# Altium PCB PCB1.PcbDoc (part 2 of 2)
Units mil, origin at the board's own origin, x right, y up, seen from the top; angles counter-clockwise.
Board outline 3939 x 2371 mil, 2 copper layers (Top Layer, Bottom Layer); 133 components, 78 nets, 464 pads, 62 vias.
Unrouted connection lines stored in the file: 3.
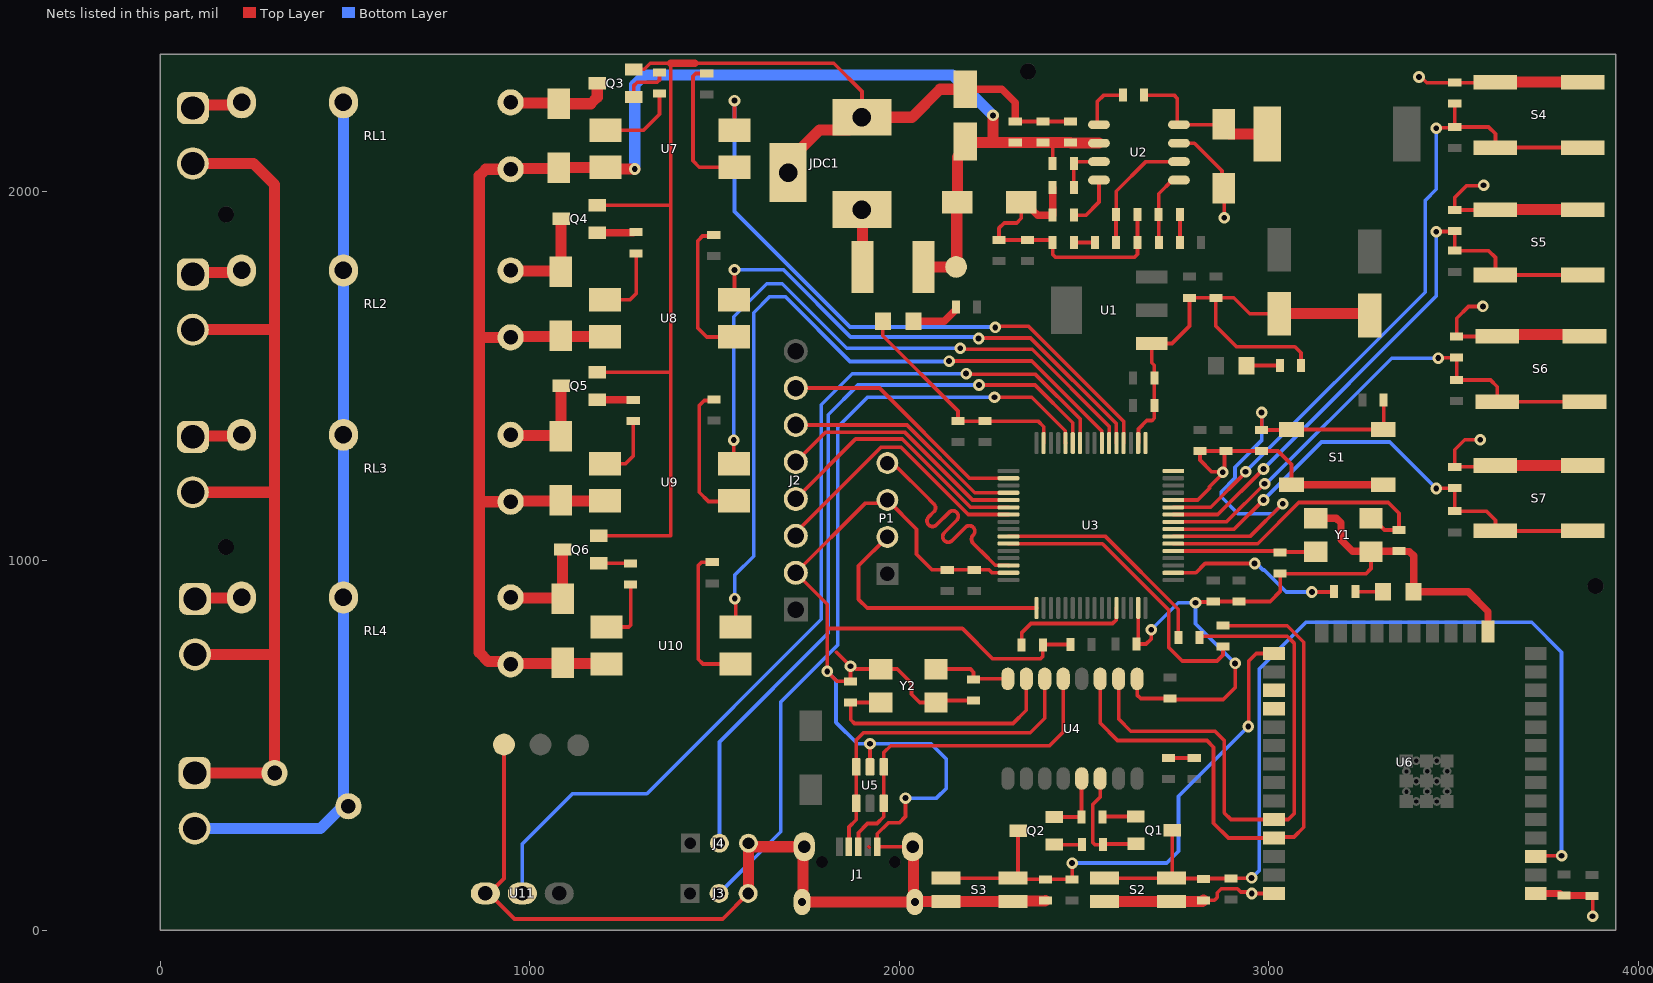
[diagram p2: the nets of this part, all layers, seen from the top]

## Via types
v1: diameter 31.5, hole 15.75, Top Layer to Bottom Layer, tented both sides, 58 vias
v2: diameter 31.5, hole 15.75, Top Layer to Bottom Layer, 4 vias

## Nets (pads, with @x,y where several pads share a name; then routed paths per layer and width w, separated by ;. In a path a pad name is that pad's centre, name@x,y a point inside that pad or via, vN(x,y) a via of type N, cw(c..) or ccw(c..) an arc to the next point about the centre after c; other vN are vias at no path point) (continued)
+12V: C1.1 C9.2 C10.2 C11.2 D1.2 D7.2 D8.2 D9.2 D10.2 F1.1 R3.2 RL1.1 RL2.1 RL3.1 RL4.1 TP2.1 U2.2 U7.4 U8.4 U9.4 U10.4 | length 4999.9
  Top Layer w10: 2414,2132.46 2415.46,2131 R3.2@2415.46,2076
  Top Layer w30: U8.4@1209.5,1606 1207.81,1607.69 1085.69,1607.69 1085.34,1607.34 950.22,1607.34 RL2.1@948.17,1605.29 864.22,1605.29 863.29,1604.36 ; U10.4@1224.5,721 1222.81,722.69 1090.69,722.69 D10.2@1089,724.39 1086.95,722.34 950.22,722.34 RL4.1@948.17,720.29 940.35,728.11 886.89,728.11 863.29,751.71 863.29,1166 ; U9.4@1224.5,1161 1204,1161 1202.31,1162.69 1085.69,1162.69 1085.34,1162.34 950.22,1162.34 RL3.1@948.17,1160.29 869,1160.29 863.29,1166 ; v1(1284,2061) 1283.71,2061.29 1207.6,2061.29 1203.69,2065.19 1079.81,2065.19 D7.2@1079,2064.39 1076.95,2062.34 950.22,2062.34 RL1.1@948.17,2060.29 880.86,2060.29 863.29,2042.72 863.29,1604.36 ; F1.1@2066,1796 TP2.1@2154,1796 2155.69,1797.69 2155.69,1969.31 D1.2@2157.39,1971 2157.39,2093.83 2179,2115.45 C1.1@2179,2135.13 2181.68,2132.46 2254,2132.46 ; v1(2254,2206) 2254,2132.46 ; U2.2@2540.73,2131 2540,2131.73 2464.73,2131.73 C11.2@2464,2132.46 2414,2132.46 C10.2@2389,2132.46 C9.2@2314,2132.46 2254,2132.46 ; 863.29,1166 863.29,1604.36
  Bottom Layer w30: v1(1284,2061) 1284,2289 1311,2316 2144,2316 v1(2254,2206)
AC1: P6.2 RL1.3 RL2.3 RL3.3 RL4.3 VR1.2 | length 2332
  Bottom Layer w30: P6.2@92.86,276 287,276 434,276 495.42,337.42 RL4.3@495.42,901.39 RL3.3@495.42,1341.39 RL2.3@495.42,1786.39 RL1.3@495.42,2241.39
AC2: P2.2 P3.2 P4.2 P5.2 P6.1 VR1.1 | length 2713.7
  Top Layer w30: P4.2@87.86,1186 307,1186 309,1188 ; P3.2@87.86,1626 309,1626 ; P2.2@87.86,2076 252,2076 309,2019 309,1626 ; P6.1@92.86,426 VR1.1@309,426 309,751 ; P5.2@94,747 305,747 309,751 ; 309,751 309,1188 ; 309,1188 309,1626
GND: C1.2 C2.1 C3.1 C4.1 C5.1 C7.2 C8.2 C9.1 C10.1 C11.1 C13.1 C14.1 C15.1 C16.1 C17.1 C18.1 C19.1 C20.1 C21.1 C22.1 C23.2 C24.1 C25.1 C26.1 C27.1 C28.1 C29.1 C30.2 C31.2 C32.2 C33.1 C34.1 C35.1 C36.1 C37.2 C38.2 C39.2 C40.2 C41.2 C42.2 D1.1 D2.1 D4.2 D5.2 J1.5 J1.Shell J2.2 J3.3 J4.3 JDC1.2 JDC1.3 P1.3 Q3.1 Q4.1 Q5.1 Q6.1 R5.1 R6.1 R7.1 R8.1 R11.2 S1.1 S1.2 S2.3 S2.4 S3.3 S3.4 S4.3 S4.4 S5.3 S5.4 S6.3 S6.4 S7.3 S7.4 TP4.1 U1.1 U2.7 U3.12 U3.18 U3.31 U3.47 U3.63 U4.1 U5.2 U6.1 U6.15 U6.38 U11.3 Y1.2 Y1.4 Y2.2 Y2.4 | length 18273.7
  Top Layer w10: U11.3@879.84,100 U11.3@889.68,100 ; TP4.1@930,503 930,140.32 U11.3@889.68,100 ; Q5.1@1183,1511 1381.72,1511 ; Q4.1@1183,1963 1380.72,1963 1381.72,1964 ; Q6.1@1187,1068 1380.72,1068 1381.72,1069 1381.72,1511 ; Q3.1@1280.79,2330.4 1281.39,2331 1310,2331 1326.14,2347.14 1381.72,2347.14 1381.72,1964 ; 1447.2,2347.14 1822.86,2347.14 1899,2271 JDC1.2@1899,2201 ; J3.3@1591,100 1522,31 958.68,31 U11.3@889.68,100 ; 1830,753 v1(1868,715) C36.1@1868,673.54 1867.54,674 1832,674 v1(1805,701) 1805,817 ; 1883.28,707.28 Y2.2@1950.2,707.28 1994.72,707.28 2033,669 2033,639 2055.28,616.72 Y2.4@2099.8,616.72 2105.54,622.46 C35.1@2201,622.46 ; U5.2@1921,442.41 v1(1921,505) ; D4.2@1955.66,1649 1955.66,1609.34 2159,1406 C19.1@2159,1378.54 C18.1@2232,1378.54 2375.46,1378.54 2391.05,1362.95 U3.31@2391.05,1319.23 ; v2(2017,358) 2017,308 2000,291 1970,291 1940.76,261.76 J1.5@1940.76,226.34 J1.Shell@2036.23,226.34 ; U3.47@2295.77,968.05 2250.95,968.05 2243,976 C26.1@2203,976 C27.1@2130,976 2089,976 2047,1018 2047,1086 P1.3@1968,1165 1959.59,1156.59 1908.59,1156.59 J2.2@1720,968 1805,883 1805,817 ; C9.1@2314,2189.54 C10.1@2389,2189.54 C11.1@2459,2189.54 ; D1.1@2330.61,1971 2330.61,1927.61 2318,1915 2284,1915 2270,1901 C5.1@2270,1868.54 C4.1@2347,1868.54 2409.63,1868.54 2415.46,1862.72 R6.1@2415.46,1862 2415.46,1829.54 2423,1822 2637,1822 2645,1830 2645,1937.54 C13.1@2644.54,1938 ; C25.1@2464,774 2389.54,774 R11.2@2388.54,773 2388.54,741.4 2382.69,735.54 2252.46,735.54 2171,817 1805,817 ; U4.1@2644,680.84 2644,637 2653.54,627.46 C30.2@2733.22,627.46 2735.68,625 2877,625 2909.37,657.37 v2(2909.37,722.63) ; U3.63@2646.95,872.77 2646.95,779.41 C24.1@2642.54,775 2668.37,775 2682.25,788.88 v1(2682.25,814) ; U3.18@2646.95,1319.23 2647.46,1319.74 2647.46,1357.46 2670,1380 2684,1380 2690.54,1386.54 C20.1@2690.54,1421 C21.1@2690.54,1495 2690.54,1529.46 2683.35,1536.65 U1.1@2683.35,1588.56 2738.56,1588.56 2786,1636 C2.1@2786,1712.46 C3.1@2857,1712.46 ; C34.1@2728.61,466.54 C33.1@2798.61,466.54 ; U3.12@2742.23,1164.9 2808.07,1164.9 2839.98,1196.8 2839.98,1201.02 2876,1237.04 v1(2876,1240) ; U2.7@2757.27,2131 2799,2131 2873.5,2056.5 2873.5,2014.89 D2.1@2879,2009.39 2880,2008.39 v1(2880,1929) ; v1(2802,887) 2803.73,888.73 2848.27,888.73 C22.1@2850,890.46 C23.2@2920,890.46 3004.46,890.46 3031.02,917.02 C15.1@3031.02,965.46 3263.46,965.46 3277.33,979.33 Y1.2@3277.33,1025.35 ; C37.2@2824,81.46 2853.14,81.46 2861,89.31 2861,102 2872,113 2915.38,113 2924.33,104.06 2949.94,104.06 v1(2954.06,99.94) U6.38@3014.34,99.94 ; C8.2@3029,1669.39 2948.61,1669.39 2905.54,1712.46 C3.1@2857,1712.46 ; S1.2@3061.98,1206.2 3061.98,1261.02 3025.54,1297.46 C17.1@2981,1297.46 C29.1@2885,1297.46 ; R5.1@3087.54,1529 3087.54,1563.54 3071.09,1580 2913,1580 2857,1636 C3.1@2857,1712.46 ; v1(3407,2310) 3412.82,2310 3428.04,2294.78 C39.2@3503.88,2294.78 3612.43,2294.78 S4.3@3613.88,2296.24 ; v1(3573,1328) 3531,1328 3503.88,1300.88 C42.2@3503.88,1254.78 3610.26,1254.78 S7.3@3613.88,1258.4 ; v1(3580,1689) 3541,1689 3509,1657 C41.2@3509,1607.54 3618.02,1607.54 S6.3@3618.88,1608.4 ; v1(3582,2017) 3581,2016 3536,2016 3503.88,1983.88 C40.2@3503.88,1949.78 3612.43,1949.78 S5.3@3613.88,1951.24 ; C31.2@3875,93.46 3877,91.46 v1(3877,38) ; 1381.72,1511 1381.72,1964 ; v1(2876,1240) 2874.25,1241.75 2845.25,1241.75 2814,1273 C28.1@2814,1297.46 C29.1@2885,1297.46 ; v1(2876,1240) 2876,1245.82 2880.52,1250.34 2880.52,1292.98 C29.1@2885,1297.46
  Top Layer w20: 1381.72,2347.14 1447.2,2347.14 ; C1.2@2179,2276.87 2278.13,2276.87 2314,2241 C9.1@2314,2189.54 ; D1.1@2330.61,1971 2341.44,1971 2361.95,1950.49 2361.95,1948.68 2374.63,1936 C14.1@2415.46,1936 R7.1@2415.46,2011 ; U2.7@2757.27,2131 U2.7@2757.96,2130.31 ; S1.2@3061.98,1206.2 S1.1@3310.02,1206.2 ; Y1.4@3127.72,1115.91 3183.09,1115.91 3196,1103 3196,1057 3227,1026 3264.69,1026 3270.69,1032 Y1.2@3277.33,1025.35 3277.88,1025.91 3352.45,1025.91 C16.1@3353,1026.46 3353.83,1025.63 3380.62,1025.63 3392.34,1013.91 D5.2@3392.34,917 3540,917 3593.87,863.13 U6.15@3593.87,809 ; U6.1@3719.14,107.66 3715.28,107.66 U6.1@3723,99.94 3787.62,99.94 3793.11,94.46 C32.2@3800,94.46 3867.11,94.46 3868.11,93.46 C31.2@3875,93.46
  Top Layer w30: J3.3@1591,100 1591.5,100.5 1591.5,235.5 J4.3@1592,236 1597.73,236 1607.39,226.34 J1.Shell@1742.92,226.34 1739.94,223.36 1739.94,79.66 J1.Shell@1737.02,76.73 J1.Shell@2042.13,76.73 ; JDC1.3@1699,2051 1699,2081 1784,2166 1864,2166 JDC1.2@1899,2201 2034,2201 2109.87,2276.87 C1.2@2179,2276.87 ; J1.Shell@2036.23,226.34 2039.21,223.36 2039.21,79.66 J1.Shell@2042.13,76.73 ; C38.2@2396.13,80.46 2395.15,79.48 2308.66,79.48 S3.3@2307.68,78.5 S3.4@2126.58,78.5 2125.69,77.62 2043.02,77.62 J1.Shell@2042.13,76.73 ; S2.4@2555.45,78.5 S2.3@2736.55,78.5 2821.28,78.5 2824,81.22 C37.2@2824,81.46 ; C8.2@3029,1669.39 3269,1669.39 C7.2@3274,1664.39 ; S7.3@3613.88,1258.4 S7.4@3850.1,1258.4 ; S5.3@3613.88,1951.24 S5.4@3850.1,1951.24 ; S4.3@3613.88,2296.24 S4.4@3850.1,2296.24 ; S6.3@3618.88,1613.4 S6.4@3850.1,1613.4
  Bottom Layer w10: v1(1805,701) 1829,677 1829,563 1887,505 v1(1921,505) 2086,505 2127,464 2127,384 2101,358 v2(2017,358) ; v1(2682.25,814) 2755.25,887 v1(2802,887) 2802,830 v2(2909.37,722.63)
NetC6_1: C6.1 U2.1 | length 139
  Top Layer w10: U2.1@2535.73,2181 2535.73,2242.73 2554,2261 C6.1@2605.46,2261
NetC6_2: C6.2 D2.2 L1.1 U2.8 | length 421
  Top Layer w10: C6.2@2662.54,2261 2744,2261 2752.27,2252.73 2752.27,2181 U2.8@2757.27,2181 D2.2@2874,2181
  Top Layer w30: D2.2@2879,2182.61 2879,2171.79 2894.79,2156 L1.1@2996.05,2156
NetC12_1: C12.1 C13.2 U2.6 | length 342
  Top Layer w10: C12.1@2586.54,1862 2587,1862.46 2587,1937.54 C13.2@2587.46,1938 2587.46,2000.46 2668,2081 U2.6@2757.27,2081
NetC12_2: C12.2 R6.2 | length 56.9
  Top Layer w10: R6.2@2472.54,1862 C12.2@2529.46,1862
NetC14_2: C14.2 U2.4 | length 142.5
  Top Layer w10: C14.2@2472.54,1936 2505.41,1936 2540.73,1971.32 U2.4@2540.73,2031
NetC15_2: C15.2 U3.5 Y1.1 | length 387
  Top Layer w10: U3.5@2742.23,1027.1 2742.55,1026.78 3045.68,1026.78 3048,1024.46 3126.62,1024.46 Y1.1@3127.72,1023.35
NetC16_2: C16.2 U3.6 Y1.3 | length 803.4
  Top Layer w10: U3.6@2742.23,1046.79 2970.44,1046.79 3081.66,1158 3324,1158 3353,1129 C16.2@3353,1083.54 3313.63,1083.54 3281.27,1115.91 Y1.3@3277.33,1115.91
NetC17_2: C17.2 R9.1 S1.3 S1.4 U3.7 | length 1260.7
  Top Layer w10: U3.7@2742.23,1066.47 2949.47,1066.47 v1(3038,1155) ; v1(2981,1402) C17.2@2981,1354.54 3060.72,1354.54 S1.4@3061.98,1355.8 S1.3@3310.02,1355.8 3311.54,1357.33 R9.1@3311.54,1436
  Bottom Layer w10: v1(2981,1402) 2981,1326 2908.92,1253.92 2908.92,1225.09 2871.47,1187.64 2871.47,1173.53 2917,1128 3011,1128 v1(3038,1155)
NetC35_2: C35.2 U4.8 Y2.1 | length 217.6
  Top Layer w10: Y2.1@2099.8,707.28 2192.72,707.28 2201,699 C35.2@2201,679.54 2202.3,680.84 U4.8@2294,680.84
NetC36_2: C36.2 U4.7 Y2.3 | length 693.5
  Top Layer w10: C36.2@1869,616.46 1869,570 1879,560 2308,560 2344,596 U4.7@2344,667.84 ; C36.2@1869,616.72 Y2.3@1950.2,616.72
NetC37_1: C37.1 Q1.2 R16.2 S2.1 S2.2 U6.3 | length 2630.4
  Top Layer w10: S2.1@2555.45,141.5 S2.2@2736.55,141.5 ; Q1.2@2739.21,271 2739.21,144.16 S2.2@2736.55,141.5 ; v1(2954,142) 2953.27,141.27 2898.73,141.27 R16.2@2898,140.54 2737.5,140.54 S2.2@2736.55,141.5 ; U6.3@3723,199.94 3725.06,202 v1(3793,202)
  Bottom Layer w10: v1(2954,142) 2975,163 2975,708 3101,834 3712,834 3793,753 v1(3793,202)
NetC38_1: C38.1 Q2.2 R17.2 S3.1 S3.2 U6.25 | length 1494.1
  Top Layer w10: S3.1@2126.58,141.5 S3.2@2307.68,141.5 ; Q2.2@2321.79,270 2321.79,154.21 2309.07,141.5 S3.2@2307.68,141.5 ; v1(2468.13,182.13) R17.2@2468.13,138 2311.18,138 S3.2@2307.68,141.5 ; v1(2945,552) 2946,553 2946,729 2966.52,749.52 3013.92,749.52 U6.25@3014.34,749.94
  Bottom Layer w10: v1(2468.13,182.13) 2724.13,182.13 2756,214 2756,363 v1(2945,552)
NetC39_1: C39.1 R26.2 S4.1 S4.2 U3.11 | length 1885.4
  Top Layer w10: U3.11@2742.23,1145.21 2843.21,1145.21 2937.67,1239.67 v1(2937.67,1241.33) ; v1(3453.88,2171.24) 3455.65,2173.01 3502.11,2173.01 R26.2@3503.88,2174.78 ; C39.1@3503.88,2237.69 R26.2@3503.88,2174.78 ; S4.1@3850.1,2119.07 S4.2@3613.88,2119.07 3613.88,2156.24 3595.34,2174.78 R26.2@3503.88,2174.78
  Bottom Layer w10: v1(2937.67,1241.33) 3424,1727.66 3424,1976 3453.88,2005.88 v1(3453.88,2171.24)
NetC40_1: C40.1 R27.2 S5.1 S5.2 U3.10 | length 1635.5
  Top Layer w10: U3.10@2742.23,1125.53 2862.53,1125.53 v1(2986,1249) ; v1(3453.88,1891.24) 3454.61,1891.96 3503.15,1891.96 C40.1@3503.88,1892.69 R27.2@3503.88,1839.78 3595.34,1839.78 3613.88,1821.24 S5.2@3613.88,1774.07 S5.1@3850.1,1774.07
  Bottom Layer w10: v1(2986,1249) 3453.88,1716.88 v1(3453.88,1891.24)
NetC41_1: C41.1 R28.2 S6.1 S6.2 U3.9 | length 1405.6
  Top Layer w10: U3.9@2742.23,1105.84 2886.19,1105.84 v1(2989.17,1208.83) ; v1(3459,1549) 3459.73,1549.73 3508.27,1549.73 C41.1@3509,1550.46 3509,1489.9 R28.2@3508.88,1489.78 3600.34,1489.78 3618.88,1471.24 S6.2@3618.88,1431.24 S6.1@3855.1,1431.24
  Bottom Layer w10: v1(2989.17,1208.83) 2992.83,1208.83 3333,1549 v1(3459,1549)
NetC42_1: C42.1 R29.2 S7.1 S7.2 U3.8 | length 1360.4
  Top Layer w10: U3.8@2742.23,1086.16 2907.16,1086.16 v1(2986,1165) ; v1(3453.88,1196.24) 3454.61,1196.96 3503.15,1196.96 C42.1@3503.88,1197.69 R29.2@3503.88,1134.78 3589.48,1134.78 3613.88,1110.38 S7.2@3613.88,1081.24 S7.1@3850.1,1081.24
  Bottom Layer w10: v1(2986,1165) 3143,1322 3328.12,1322 v1(3453.88,1196.24)
NetD3_2: D3.2 R5.2 | length 90.1
  Top Layer w10: D3.2@2940.34,1529 R5.2@3030.46,1529
NetD4_1: D4.1 R2.1 | length 134.9
  Top Layer w20: D4.1@2038.34,1649 2122.35,1649 2153.46,1680.11 R2.1@2153.46,1687
NetD5_1: D5.1 R10.1 | length 75.1
  Top Layer w10: R10.1@3234.54,917 D5.1@3309.66,917
NetD7_1: D7.1 Q3.2 RL1.2 | length 281.5
  Top Layer w30: RL1.2@948.17,2241.39 950.06,2239.5 1077.11,2239.5 D7.1@1079,2237.61 1165,2237.61 1182.58,2255.19 Q3.2@1182.58,2293.4
NetD8_1: D8.1 Q4.2 RL2.2 | length 280.8
  Top Layer w30: RL2.2@948.17,1786.39 950.06,1784.5 1082.9,1784.5 1084.39,1783.01 1084.39,1925.61 Q4.2@1084.79,1926
NetD9_1: D9.1 Q5.2 RL3.2 | length 273.8
  Top Layer w30: RL3.2@948.17,1341.39 950.06,1339.5 1082.9,1339.5 1084.39,1338.01 1084.39,1473.61 Q5.2@1084.79,1474
NetD10_1: D10.1 Q6.2 RL4.2 | length 275.7
  Top Layer w30: RL4.2@948.17,901.39 950.06,899.5 1087.11,899.5 D10.1@1088.89,897.72 ; Q6.2@1088.79,1031 1088.89,1030.89 D10.1@1088.89,897.72 ; D10.1@1089,897.61 D10.1@1088.89,897.72
NetF1_0: F1.0 JDC1.1 | length 155.7
  Top Layer w30: JDC1.1@1899,1951 1900.59,1949.41 F1.0@1900.59,1796
NetJ1_2: J1.2 U4.6 U5.3 U5.4 | length 938.8
  Top Layer w10: J1.2@1863.98,226.34 1863.98,279.98 1883.6,299.6 U5.4@1883.6,343.59 U5.3@1883.6,442.41 1883.6,515.6 1903,535 2355,535 2394,574 U4.6@2394,680.84
NetJ1_3: J1.3 U4.5 U5.1 U5.6 | length 953
  Top Layer w10: J1.3@1889.57,226.34 1889.57,264.57 1914.4,289.4 1939.95,289.4 1958.4,307.86 U5.6@1958.4,343.59 U5.1@1958.4,442.41 1958.4,481.4 1977,500 2407,500 2444,537 U4.5@2444,680.84 ; 1917.61,226.57 1919,225.17
NetJ2_3: J2.3 U3.39 | length 755.7
  Top Layer w10: J2.3@1720,1068 1720,1077.14 1793,1150.14 1950.38,1307.53 2005.03,1307.53 2187.03,1125.53 U3.39@2295.77,1125.53
NetJ2_4: J2.4 U3.38 | length 719.4
  Top Layer w10: J2.4@1720,1168 1882,1330 2008.01,1330 2192.8,1145.21 U3.38@2295.77,1145.21
NetJ2_5: J2.5 U3.37 | length 684.8
  Top Layer w10: J2.5@1720,1268 1800,1348 2015.47,1348 2198.57,1164.9 U3.37@2295.77,1164.9
NetJ2_6: J2.6 U3.36 | length 651.7
  Top Layer w10: J2.6@1720,1368 2020.92,1368 2204.34,1184.58 U3.36@2295.77,1184.58
NetJ2_7: J2.7 U3.34 | length 676.9
  Top Layer w10: J2.7@1720,1468 1946.38,1468 2190.42,1223.95 U3.34@2295.77,1223.95
NetJ3_2: J3.2 U3.28 | length 2115.9
  Top Layer w10: v1(2258,1443) 2359,1443 2449.59,1352.41 2449.59,1319.74 U3.28@2450.1,1319.23
  Bottom Layer w10: J3.2@1512.26,100 1679,266.74 1679,618 1834,773 1834,1363 1914,1443 v1(2258,1443)
NetJ4_2: J4.2 U3.27 | length 2076.2
  Top Layer w10: v1(2216,1476.25) 2367.75,1476.25 2469.79,1374.21 U3.27@2469.79,1319.23
  Bottom Layer w10: J4.2@1513.26,236 1513.26,510.26 1807.63,804.63 1807.63,1395.63 1888.25,1476.25 2211.5,1476.25 2213.75,1474 v1(2216,1476.25)
NetP1_2: P1.2 U3.49 | length 692.3
  Top Layer w10: P1.2@1968,1065 1890,987 1890,896 1913.23,872.77 U3.49@2371.36,872.77
NetP1_4: P1.4 U3.46 | length 695.1
  Top Layer w10: P1.4@1968,1265 1981.27,1265 1995.26,1251.01 1996.99,1251.01 2069,1179 2093.75,1154.25 cw(c2083.14,1143.64) 2093.75,1133.04 2079.61,1118.9 ccw(c2090.21,1108.29) 2079.61,1097.68 ccw(c2090.21,1108.29) 2100.82,1097.68 2134.51,1131.37 cw(c2145.12,1120.77) 2155.72,1131.37 cw(c2145.12,1120.77) 2155.72,1110.16 2122.03,1076.47 ccw(c2132.64,1065.86) 2122.03,1055.26 ccw(c2132.64,1065.86) 2143.25,1055.26 2179.15,1091.16 cw(c2189.76,1080.56) 2200.37,1091.16 cw(c2189.76,1080.56) 2200.37,1069.95 2199.81,1069.4 ccw(c2210.42,1058.79) 2199.81,1048.18 2216,1032 2224,1024 2259.76,988.24 2295.26,988.24 U3.46@2295.77,987.73
NetP2_1: P2.1 RL1.4 | length 138.3
  Top Layer w30: P2.1@87.86,2226 95.56,2233.7 212.13,2233.7 RL1.4@219.83,2241.39
NetP3_1: P3.1 RL2.4 | length 136.3
  Top Layer w30: P3.1@87.86,1776 93.06,1781.2 214.63,1781.2 RL2.4@219.83,1786.39
NetP4_1: P4.1 RL3.4 | length 134.2
  Top Layer w30: P4.1@87.86,1336 90.56,1338.7 217.13,1338.7 RL3.4@219.83,1341.39
NetP5_1: P5.1 RL4.4 | length 127.6
  Top Layer w30: P5.1@94,897 96.2,899.2 217.63,899.2 RL4.4@219.83,901.39
NetQ1_1: Q1.1 R15.1 U4.14 | length 301.8
  Top Layer w10: U4.14@2544,411.16 2544,361 2524,341 2524,238 2530,232 R15.1@2551.54,232 2553.54,234 Q1.1@2641,234
NetQ1_3: Q1.3 R14.2 | length 90.8
  Top Layer w10: R14.2@2550.54,307 2551.95,308.4 Q1.3@2640.79,308.4
NetQ2_1: Q2.1 R14.1 U4.13 | length 170.3
  Top Layer w10: Q2.1@2420,307 R14.1@2493.46,307 U4.13@2493.46,403.85
NetQ2_3: Q2.3 R15.2 | length 74.5
  Top Layer w10: Q2.3@2420.21,232.6 2420.81,232 R15.2@2494.46,232
NetQ3_3: Q3.3 R19.2 | length 149.3
  Top Layer w10: Q3.3@1281,2256 1281,2286 1291,2296 1345.14,2296 1351,2301.86 R19.2@1351,2322.54 1344.11,2322.54 R19.2@1338.28,2316.72 ; Q3.3@1288.21,2253.6 Q3.3@1295.1,2253.6
NetQ4_3: Q4.3 R21.2 | length 105.3
  Top Layer w20: Q4.3@1183.21,1888.6 1279.9,1888.6 1281.11,1889.81 R21.2@1288,1889.81
NetQ5_3: Q5.3 R23.2 | length 97.2
  Top Layer w20: Q5.3@1183.21,1436.6 1272.06,1436.6 1273.11,1435.54 R23.2@1280,1435.54
NetQ6_3: Q6.3 R25.2 | length 85.8
  Top Layer w10: Q6.3@1187.21,993.6 1187.27,993.54 R25.2@1273,993.54
NetR1_1: R1.1 R4.2 | length 76.4
  Top Layer w10: R4.2@2759.54,1938 2760,1937.54 2760,1862.46 R1.1@2760.46,1862
NetR3_1: R3.1 R7.2 U2.3 | length 135.3
  Top Layer w10: R7.2@2472.54,2011 R3.1@2472.54,2076 2477.54,2081 U2.3@2540.73,2081
NetR4_1: R4.1 R8.2 U2.5 | length 202.1
  Top Layer w10: R8.2@2702.54,1862 R8.2@2702.54,1862 R4.1@2702.46,1938 R4.1@2702.46,1938 2702.46,1993.91 2739.55,2031 U2.5@2757.27,2031
NetR10_2: R10.2 U3.2 | length 477.9
  Top Layer w10: U3.2@2742.23,968.05 2803.05,968.05 2828,993 v1(2962,993) ; v1(3117,916) 3176.46,916 R10.2@3177.46,917
  Bottom Layer w10: v1(2962,993) 2967.82,993 2985.07,975.75 2987.91,975.75 3047.66,916 v1(3117,916)
NetR11_1: R11.1 U3.60 | length 335.7
  Top Layer w10: R11.1@2331.28,772.82 2331.28,805.28 2356.44,830.44 2577.49,830.44 2587.39,840.33 2587.39,872.26 U3.60@2587.9,872.77
NetR12_1: R12.1 U4.3 U6.35 | length 1652.8
  Top Layer w10: U4.3@2544,680.84 2544,561 2591,514 2833,514 2851,496 2851,290 2891.06,249.94 U6.35@3014.34,249.94 3017.34,252.95 3068.95,252.95 3094.89,278.89 3094.89,780.11 3050.46,824.54 2894,824.54
NetR13_1: R13.1 U4.2 U6.34 | length 1543.6
  Top Layer w10: U4.2@2594,680.84 2594,572 2627,539 2855,539 2880,514 2880,318 2897.99,300.01 3053.01,300.01 3069,316 3069,777.61 3050.61,796 R13.1@2812.54,796
NetR18_2: R18.2 U7.1 | length 387.7
  Top Layer w10: R18.2@1479,2319.54 1449.54,2319.54 1442,2312 1442,2083 1459,2066 U7.1@1553.5,2066
NetR19_1: R19.1 U7.3 | length 220.8
  Top Layer w10: U7.3@1204.5,2166 1308,2166 1351,2209 R19.1@1351,2265.46
NetR20_2: R20.2 U8.1 | length 392.4
  Top Layer w10: R20.2@1498,1879.54 1467.54,1879.54 1455,1867 1455,1630 1479,1606 U8.1@1552.26,1606
NetR21_1: R21.1 U8.3 | length 200.5
  Top Layer w10: U8.3@1203.26,1707 1271,1707 1288,1724 R21.1@1288,1832.72
NetR22_2: R22.2 U9.1 | length 385
  Top Layer w10: R22.2@1499,1434.54 1498.6,1434.14 1472.14,1434.14 1459,1421 1459,1186 1484,1161 U9.1@1553,1161
NetR23_1: R23.1 U9.3 | length 179.2
  Top Layer w10: U9.3@1204,1263 1259,1263 1280,1284 R23.1@1280,1378.46
NetR24_2: R24.2 U10.1 | length 402.2
  Top Layer w10: R24.2@1494,996.54 1464.54,996.54 1456,988 1456,734 1469,721 U10.1@1557.26,721
NetR25_1: R25.1 U10.3 | length 176.8
  Top Layer w10: U10.3@1208.26,821 1267.14,821 1273,826.86 R25.1@1273,936.46
NetU3_16: U3.16 U6.27
NetU3_17: U3.17 U6.28
NetU3_20: U3.20 U7.2 | length 1729.8
  Top Layer w10: U7.2@1553.5,2166 1554,2166.5 v1(1554,2246) ; v1(2260,1632.25) 2262.75,1635 2350,1635 2607.58,1377.42 U3.20@2607.58,1319.23
  Bottom Layer w10: v1(1554,2246) 1554,1946 1866.6,1633.4 2258.85,1633.4 v1(2260,1632.25)
NetU3_21: U3.21 U8.2 | length 1343.6
  Top Layer w10: v1(1554,1788) 1554,1710.5 U8.2@1558.5,1706 ; v1(2215,1602) 2216.5,1603.5 2355.5,1603.5 2587.9,1371.1 U3.21@2587.9,1319.23
  Bottom Layer w10: v1(1554,1788) 1686.54,1788 1868.43,1606.11 2210.89,1606.11 v1(2215,1602)
NetU3_22: U3.22 U9.2 | length 1656.9
  Top Layer w10: v1(1552,1327) 1552,1264 U9.2@1553,1263 ; v1(2165,1576) 2168,1573 2360,1573 2568.21,1364.79 U3.22@2568.21,1319.23
  Bottom Layer w10: v1(1552,1327) 1552,1661 1641.36,1750.36 1683.64,1750.36 1858,1576 v1(2165,1576)
NetU3_23: U3.23 U10.2 | length 2014.9
  Top Layer w10: v1(1555,898) 1557.26,895.74 U10.2@1557.26,823 ; v1(2135,1541) 2358.68,1541 2548.02,1351.67 2548.02,1319.74 U3.23@2548.53,1319.23
  Bottom Layer w10: v1(1555,898) 1555,962 1606,1013 1606,1672 1649,1715 1692,1715 1867,1540 2134,1540 v1(2135,1541)
NetU3_26: U3.26 U11.2 | length 2627.9
  Top Layer w10: v1(2181,1507) 2183,1505 2369.23,1505 2489.98,1384.24 2489.98,1319.74 U3.26@2489.47,1319.23
  Bottom Layer w10: U11.2@979.84,100 979.84,234 1115.84,370 1317,370 1789,842 1789,1423 1873,1507 v1(2181,1507)
OTA_RX: R12.2 U3.43 | length 801.7
  Top Layer w10: U3.43@2295.77,1046.79 2550.01,1046.79 2620.79,976 2730,866.79 2730,765 2766,729 2860,729 2876.22,745.22 R12.2@2876.22,768.46
OTA_TX: R13.2 U3.42 | length 611.8
  Top Layer w10: U3.42@2295.77,1066.47 2558.53,1066.47 2755.46,869.54 R13.2@2755.46,798.95
pads on no net: H1.0 H2.0 H3.0 H4.0 J1.4 J1.MH1 J1.MH2 U3.3 U3.4 U3.14 U3.15 U3.24 U3.25 U3.29 U3.30 U3.33 U3.35 U3.40 U3.41 U3.44 U3.45 U3.50 U3.51 U3.52 U3.53 U3.54 U3.55 U3.56 U3.57 U3.58 U3.59 U3.61 U3.62 U4.9 U4.10 U4.11 U4.12 U4.15 U6.4 U6.5 U6.6 U6.7 U6.8 U6.9 U6.10 U6.11 U6.12 U6.13 U6.14 U6.16 U6.17 U6.18 U6.19 U6.20 U6.21 U6.22 U6.23 U6.24 U6.26 U6.29 U6.30 U6.31 U6.32 U6.33 U6.36 U6.37 U6.39
copper on no net: | length 491.5
  Top Layer w20: 3373,375 3373.5,375.5 3399.19,375.5 ; 3373,430.12 3373.5,430.62 3399.19,430.62 ; 3399.19,402.33 3399.19,375.5 ; 3400,349 3400.98,349 3403.79,346.19 3427.72,346.19 ; 3400,404.12 3455,404.12 3455,405.1 3458.81,408.91 3458.81,430.62 ; 3416.65,460.93 3399.19,443.47 3399.19,430.62 ; 3427.72,348.76 3427.72,375.5 ; 3449.02,453.26 3458.81,443.47 3458.81,430.62 ; 3455,349 3455,349.98 3458.81,353.79 3458.81,375.5 ; 3458.81,388.35 3458.81,375.5 ; 3483,376 3482.5,375.5 3458.81,375.5 ; 3483,431.12 3482.5,430.62 3458.81,430.62 ; 3399.19,375.5 3427.72,375.5 ; 3399.19,430.62 3458.81,430.62 ; 3427.72,375.5 3458.81,375.5

## Polygon pours and split planes (outlines as drawn)
GND on Top Layer "GND_L01_P013" (solid, remove dead copper, pour order 13): -11,0 3939,0 3939,2371 -11,2371
+3V3 on Top Layer "NONET_L-01_P-001" (solid, pour order 0): 2387,1622 2400,1609 2497,1609 2513,1625 2513,1648 2517,1652 2727,1652 2735,1660 2735,1700 2726,1709 2520,1709 2512,1717 2512,1745 2504,1753 2503,1752 2402,1752 2387,1737 2402,1752 2387,1737
+5V on Top Layer "+5V_L01_P011" (solid, remove dead copper, pour order 11): 3344,2240 3418.2,2240 3427.2,2231 3428,2231 3428,2023 3394.51,1989.51 3394.51,1796.51 3366,1768 2969,1768 2923.52,1813.48 2804.57,1813.48 2804.57,1883.57 2810,1889 2811,1888 2934,1888 2974.91,1919 3334,1919 3334,2230
NetF1_0 on Top Layer "NONET_L-01_P-001" (solid, remove dead copper, pour order 1): 1824,2037 1794,2007 1794,1896 1843,1847 1843,1723 1869,1697 1942,1697 1957,1712 1957,1880 1973,1880 1998,1905 1998,2016 1977,2037
AC2 on Top Layer "AC2_L01_P010" (solid, remove dead copper, pour order 10): 48,495 22,469 22,390 46,366 388,366 410,388 410,2118 374,2154 44,2154 44,2153 21,2130 21,2026 41,2006 260,2006 280,1986 280,1711 263,1694 48,1694 26,1672 26,1587 49,1564 265,1564 280,1549 280,1259 265,1244 45,1244 30,1229 30,1139 45,1124 272,1124 281,1115 281,818 267,804 54,804 39,789 39,687 56,670 271,670 279,662 279,509 265,495
+12V on Top Layer "+12V_L01_P006" (solid, remove dead copper, pour order 6): 2005,1888 2095,1888 2106,1899 2106,2167 2143,2204 2215,2204 2255,2164 2499,2164 2509,2154 2565,2154 2582,2137 2582,2113 2279,2113 2222,2056 2222,1835 2196,1809 2196,1771 2134,1709 2020,1709 1982,1747 1982,1861.77 1999,1884
NetC6_2 on Top Layer "NETC6_2_L01_P009" (solid, remove dead copper, pour order 9): 2767,2239 3040,2242 3049,2233 3049,2083 3034,2068 2951,2068 2888,2131 2837,2132 2815,2153 2717,2154 2717,2204.25
GND on Bottom Layer "GND_L02_P008" (solid, remove dead copper, pour order 8): -11,0 3939,0 3939,2371 -11,2371
AC1 on Bottom Layer "AC1_L02_P005" (solid, remove dead copper, pour order 5): 443,2274 456.2,2296 568,2296 594,2270 594,215 536,157 43,157 16,184 16,315 40,339 406,339 443,376 443,2210

## Keep-outs
Keep-Out Layer:
  lines w10: 0,0 3939,0 3939,36 3939,2371 0,2371 0,0

## Other copper
Multi-Layer:
  pour cut-out: 2310,1305 2728,1305 2728,887 2310,887
  pour cut-out: 688,2369 689,2368 751,2368 751,1 749,-1 690,-1 690,2369 690.03,2369.03
  pour cut-out: 1417,2367 1417,663 1362,608 751,608 751,629 1361.41,629 1395.41,663 1395,663.41 1395,2367
  pour cut-out: 3406,1042 3412,1048 3412,1067 3389,1090 3388,1090 3388,1141.99 3343,1182 3338.97,1182 3077,1182 3064,1169 3064,1077 3036,1049 2997.93,1049 2985.75,1036.81 2985.75,952.25 3009,929 3087,929 3130,972 3382,972 3396,986 3396,1024 3401,1029 3412,1029 3412,985 3392,965 3131,965 3090,924 3002,924 2981,945 2981,1041 2997,1057 3034,1057 3059,1082 3059,1179 3073,1193 3346,1193 3396,1143 3396,1094 3423,1067 3423,1043 3415,1035 3393,1035 3389,1039 3389,1042 3392,1042
  pour cut-out: 2258.81,693.19 2246,707.14 2241,713 2206,754 1879,754 1828,703 1828,594 1857,565 2237,565 2239,671 2254,671 2254,562 2247,555 2246,556 1852,556 1820,588 1822,590 1822,706 1877,761 2208,759 2212,754 2264,693.19
  pour cut-out: 2997,2349 2998,2350 3374,2350 3374,1966 3376,1964 3371,1959 2997,1959 2997,2348

## Silkscreen, mask and mechanical layers (free items; w line width, h text height)
Top Overlay:
  drawing of 891 lines, arcs and shapes, not listed
  text "LED" at 1786,1606 h40
  text "SCK" at 1786,1574.48 h40
  text "SDI" at 1785,1542.48 h40
  text "DC" at 1787,1510.44 h40
  text "RS" at 1787,1478.48 h40
  text "CS" at 1786,1447.48 h40
  text "SWDIO" at 1946,1418.48 h40
  text "GND" at 1786,1415.48 h40
  text "GND" at 1946,1388.48 h40
  text "5V" at 1786,1383.48 h40
  text "SWCLK" at 1945,1358.48 h40
  text "3V3" at 1945,1327.48 h40
  text "DHT11" at 929,161 h40
  text "LM393" at 1455,159.48 h40
  text "-" at 1579,155.16 h40
  text "+" at 1422,152.3 h40
  text "PIR" at 1472,5 h40
Bottom Overlay:
  drawing of 713 lines, arcs and shapes, not listed

## Text inside footprints (layer, text, board x,y; h text height)
C1: Top Overlay "+" at 2159.31,2072.14 h48 r270
C7: Top Overlay "+" at 3293.69,1908.48 h48 r90
C8: Top Overlay "+" at 3048.69,1913.48 h48 r90
J1: Top Courtyard "PCB Edge" at 1838.39,-17.76 h16
U11: Top Overlay "+" at 1103.22,15 h60 r90; Top Overlay "Out" at 1009,40.56 h40 r180; Top Overlay "-" at 885,47.54 h60 r180